# Altium PCB ESP32-SIM800C routed.PcbDoc (part 1 of 2)
Units mm, origin at the board's own origin, x right, y up, seen from the top; angles counter-clockwise.
Board outline 160.02 x 86.36 mm, 4 copper layers (L1 (TOP), L2 (PWR), L3 (GND), L4 (BOTTOM)), stack 1.586 mm thick; 149 components, 93 nets, 484 pads, 190 vias.
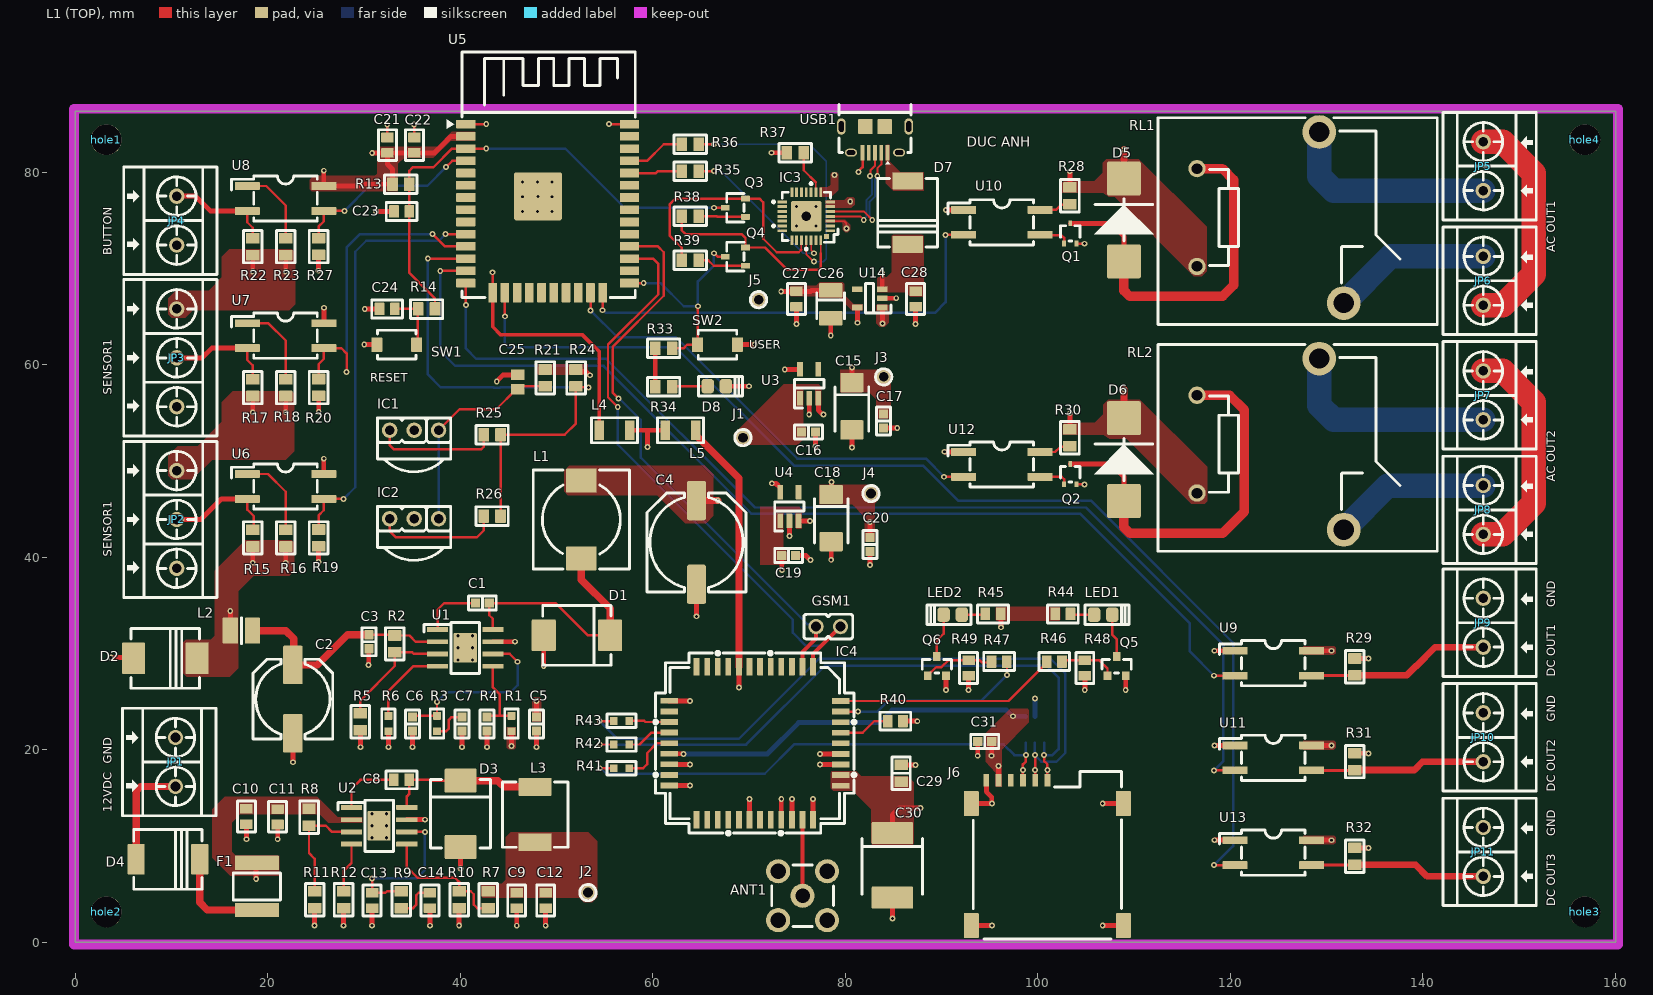
[diagram p0: L1 (TOP) view]
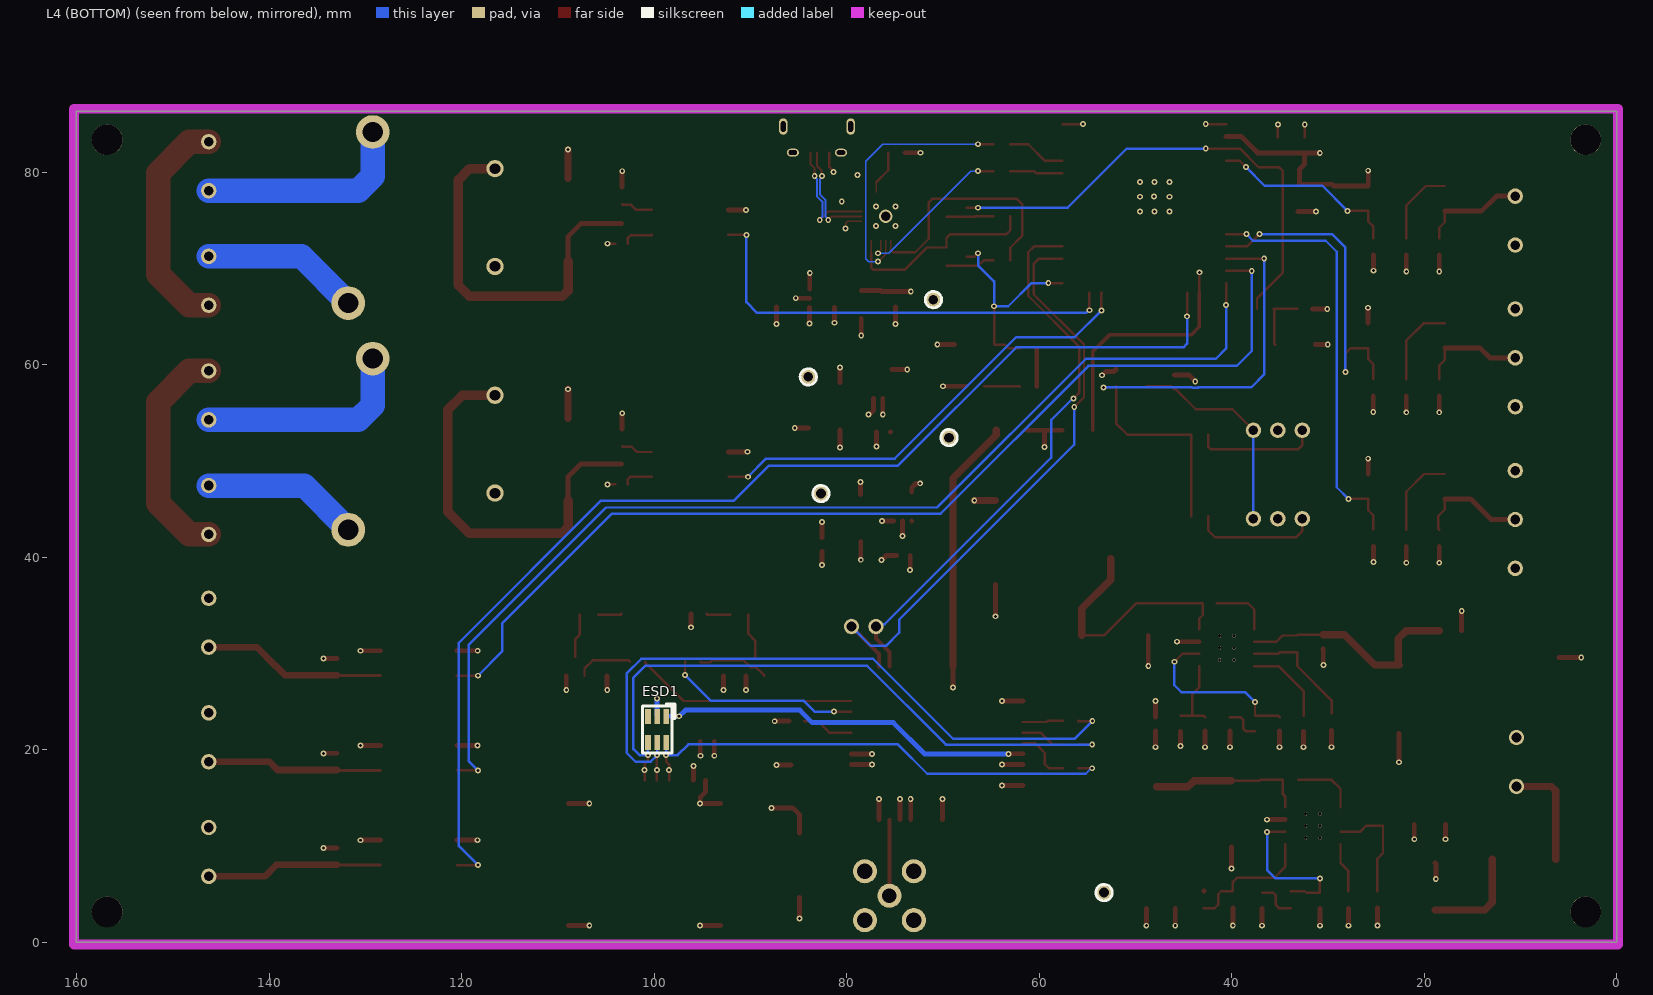
[diagram p1: L4 (BOTTOM) view, seen from below]
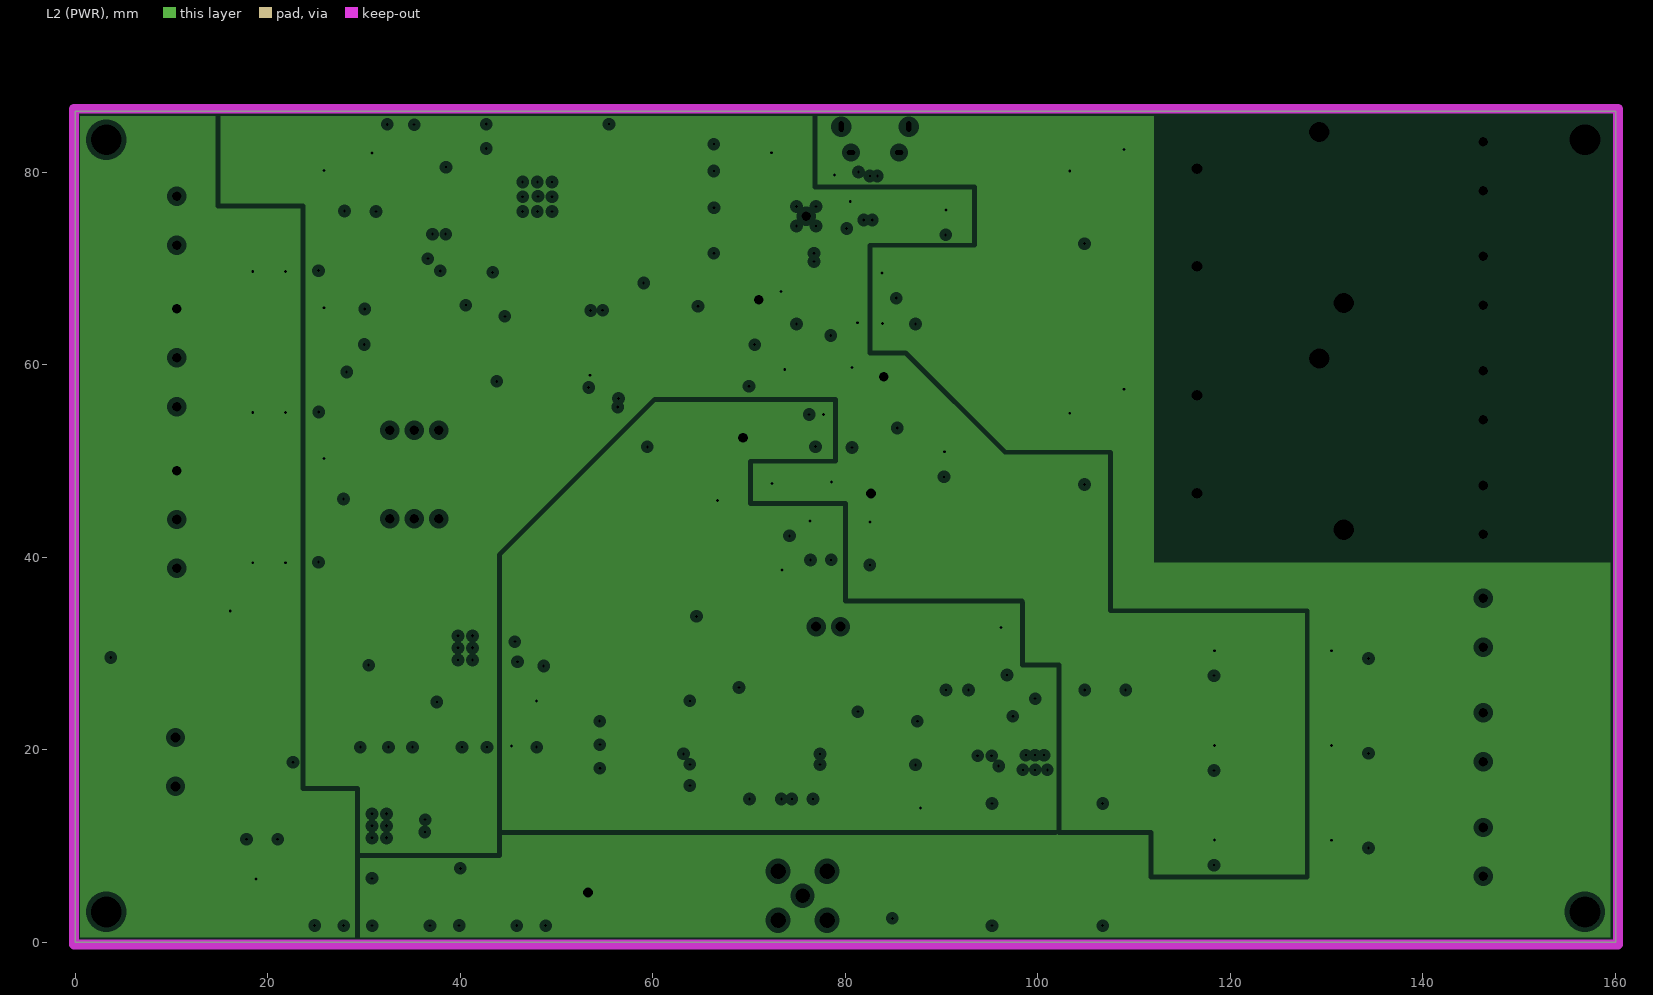
[diagram p2: L2 (PWR), clearances drawn from the general rule]
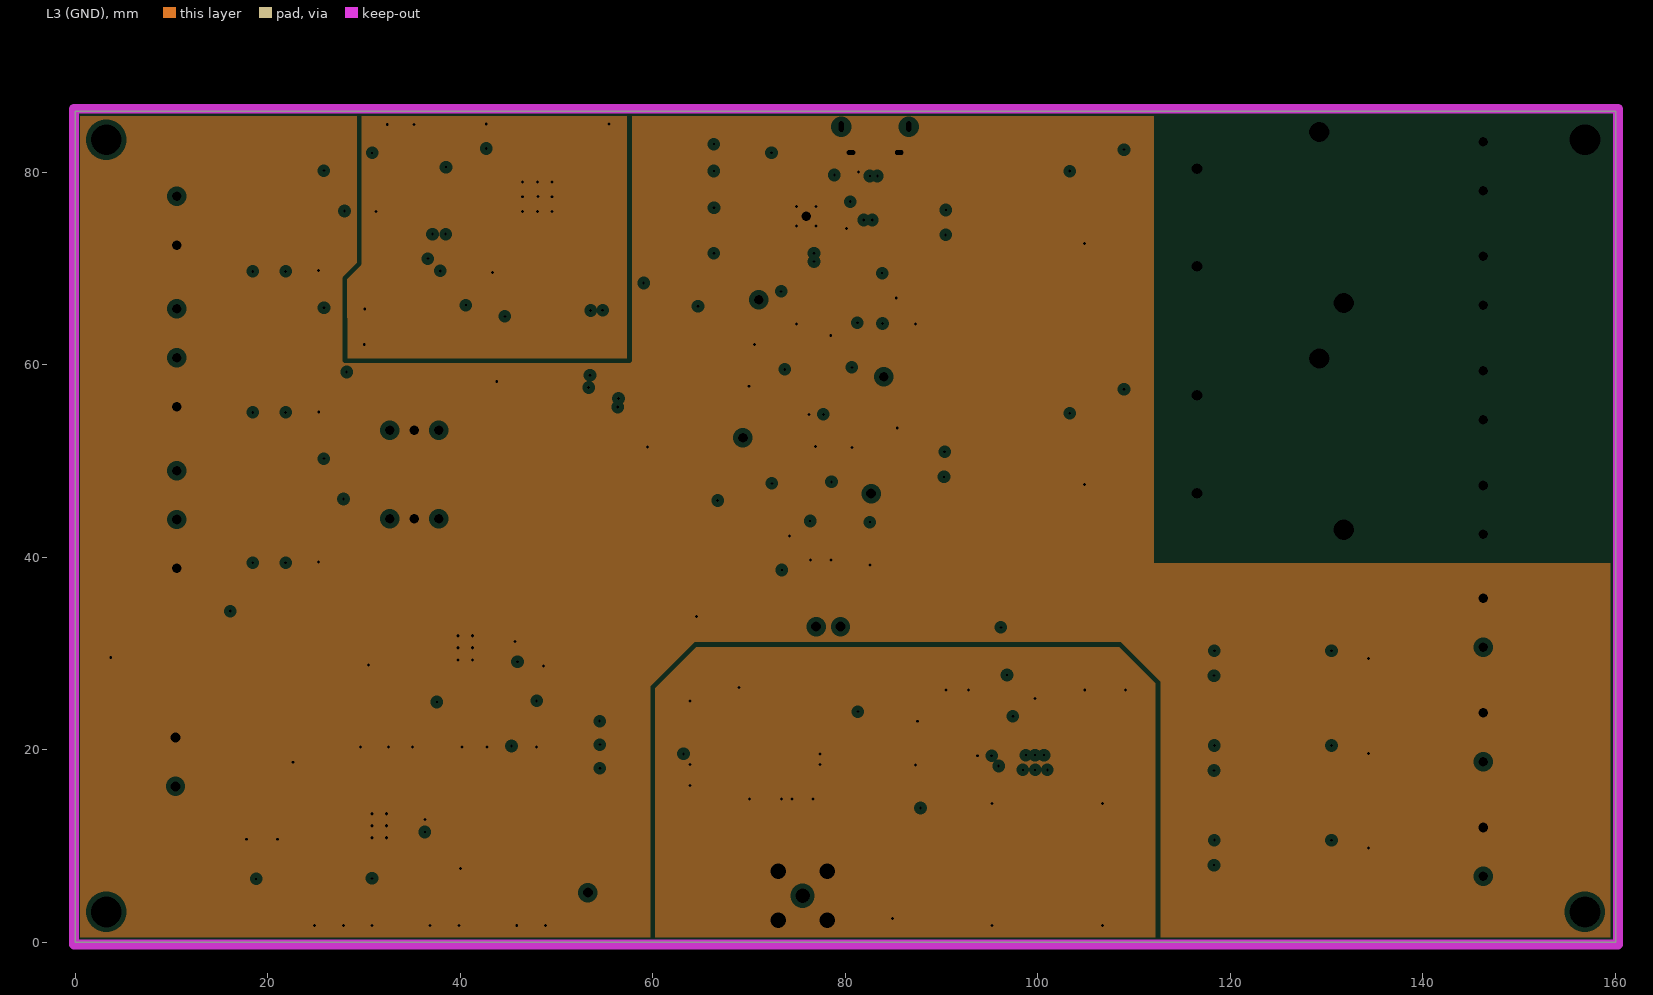
[diagram p3: L3 (GND), clearances drawn from the general rule]

## Layer stack, top to bottom
Top Solder: solder mask 0.0254, SM-001, Dk 4
L1 (TOP): signal copper 0.035
Dielectric 1: prepreg 0.2104, PP-017, Dk 4.3
L2 (PWR): plane copper 0.0152
Dielectric 2: core 1.065, Core-039, Dk 4.8
L3 (GND): plane copper 0.0152, net PGND
Dielectric 3: prepreg 0.2104, PP-017, Dk 4.3
L4 (BOTTOM): signal copper 0.035
Bottom Solder: solder mask 0.0254, SM-001, Dk 4

## Board outline
0,0 160.02,0 160.02,86.36 0,86.36

## Design rules (kind name [scope] priority, off if disabled: settings)
Clearance [All] p1: gap=0.127 ignorepadtopadclearanceinfootprint=FALSE
DiffPairsRouting [All] p1: maxlimit=0.127 minlimit=0.127 mostfreqgap=0.127 toplayer_minwidth=0.208 toplayer_maxwidth=0.208 toplayer_prefwidth=0.208 bottomlayer_minwidth=0.208 bottomlayer_maxwidth=0.208 bottomlayer_prefwidth=0.208 impedanceprofiledriven=TRUE impedanceprofileid={5B064D12-931F-44AD-A656-7E22BABB8609} impedanceprofilevalue=90.000000 maxuncoupledlength=12.7
HoleSize [All] p1: absolutevalues=TRUE maxlimit=3.2 minlimit=0.025 maxpercent=80.000 minpercent=20.000
HoleToHoleClearance [All] p1: gap=0.3 allowstackedmicrovias=TRUE
MinimumSolderMaskSliver [All] p1: minsoldermaskwidth=0.1
PlaneClearance [All] p1: clearance=0.508
PlaneConnect [All] p1: pad.planeconnectstyle=Direct pad.reliefexpansion=0.508 pad.reliefentries=4 pad.reliefconductorwidth=0.254 pad.reliefairgap=0.254 via.planeconnectstyle=Relief via.reliefexpansion=0.508 via.reliefentries=4 via.reliefconductorwidth=0.254 via.reliefairgap=0.254
PolygonConnect [All] p1: connectstyle=Direct reliefconductorwidth=0.254 reliefentries=4 polygonreliefangle="90 Angle" airgapwidth=0.254
RoutingVias [All] p1: holewidth=0.305 width=0.61 viastyle="Through Hole" minholewidth=0.305 minwidth=0.61 maxholewidth=0.305 maxwidth=0.61
SilkToSolderMaskClearance [IsPad] p1: minsilkscreentomaskgap=0.1 clearancetoexposedcopper=TRUE
SolderMaskExpansion [All] p1: expansion=0.102 istentingtop=FALSE
Width [All] p1: maxlimit=2.54 minlimit=0.152 preferedwidth=0.254
23 further rules are at their usual default settings.

## Classes and differential pairs
differential pair class diff90: D
component class 05-USB-UART: C26 C27 C28 D7 D8 IC3 J5 Q3 Q4 R33 R34 R35 R36 R37 R38 R39 SW2 U14 USB1
component class 04-OUTPUT: D5 D6 JP5 JP6 JP7 JP8 JP9 JP10 JP11 Q1 Q2 R28 R29 R30 R31 R32 RL1 RL2 U9 U10 U11 U12 U13
component class 03-INPUT: C25 IC1 IC2 JP2 JP3 JP4 R15 R16 R17 R18 R19 R20 R21 R22 R23 R24 R25 R26 R27 U6 U7 U8
component class 02-ESP32: C21 C22 C23 C24 hole1 hole2 hole3 hole4 R13 R14 SW1 U5
component class 01-POWER: C1 C2 C3 C4 C5 C6 C7 C8 C9 C10 C11 C12 C13 C14 C15 C16 C17 C18 C19 C20 D1 D2 D3 D4 F1 J1 J2 J3 J4 JP1 L1 L2 L3 R1 R2 R3 R4 R5 R6 R7 R8 R9 R10 R11 R12 U1 U2 U3 U4
component class Sheet1: L4 L5 L7 L8
component class 06-SIM800C: ANT1 C29 C30 C31 C32 ESD1 GSM1 IC4 J6 LED1 LED2 Q5 Q6 R40 R41 R42 R43 R44 R45 R46 R47 R48 R49 S1
differential pair Diff90: +D_P -D_N

## Components (designator, comment, footprint, x,y, rotation, side; value= is the part's Value field where it differs from the comment)
ANT1 "SMA ANTENNA" ANT-SMA-ST-F 75.565,4.851 r0 top
C1 "0.1uF/50V/C0603/10%" "Cap Ceramic 0603 SMD" 42.291,35.255 r0 top
C2 "100uF/50V/ALU/20%" "CAP ALU CASE F SMD" 22.606,25.273 r270 top
C3 "1uF/50V/C0603/10%" "Cap Ceramic 0603 SMD" 30.505,31.238 r90 top
C4 "330uF/50V/ALU/20% SMD" "CAP ALU CASE G SMD" 64.541,41.554 r270 top
C5 "0.1uF/50V/C0603/10%" "Cap Ceramic 0603 SMD" 47.93,22.683 r90 top
C6 "56pF/50V/C0603/5%" "Cap Ceramic 0603 SMD" 35.026,22.683 r90 top
C7 "10nF/50V/C0603/10%" "Cap Ceramic 0603 SMD" 40.187,22.683 r90 top
C8 "0.1uF/25V" CAP_CERA_C2012(CC0805INCH) 33.884,16.891 r180 top
C9 "47uF/10V" CAP_CERA_C2012(CC0805INCH) 45.865,4.355 r90 top
C10 "2.2uF/50V" CAP_CERA_C2012(CC0805INCH) 17.78,13.081 r90 top
C11 "2.2uF/50V" CAP_CERA_C2012(CC0805INCH) 21.016,13.054 r90 top
C12 "47uF/10V" CAP_CERA_C2012(CC0805INCH) 48.87,4.355 r90 top
C13 "39pF/50V" CAP_CERA_C2012(CC0805INCH) 30.842,4.355 r90 top
C14 "6800pF/25V" CAP_CERA_C2012(CC0805INCH) 36.851,4.355 r90 top
C15 "10uF/25V/TANTA C/10%" "CAP TANT CASE C SMD" 80.682,55.705 r270 top
C16 "0.1uF/50V/C0603/10%" "Cap Ceramic 0603 SMD" 76.176,53.038 r180 top
C17 "0.1uF/50V/C0603/10%" "Cap Ceramic 0603 SMD" 83.984,54.181 r90 top
C18 "10uF/25V/TANTA C/10%" "CAP TANT CASE C SMD" 78.537,44.09 r270 top
C19 "0.1uF/50V/C0603/10%" "Cap Ceramic 0603 SMD" 74.118,40.185 r180 top
C20 "0.1uF/50V/C0603/10%" "Cap Ceramic 0603 SMD" 82.552,41.351 r90 top
C21 "22uF/25V/C0805/10%" CAP_CERA_C2012(CC0805INCH) 32.436,82.829 r270 top
C22 "0.1uF/25V/C0805/10%" CAP_CERA_C2012(CC0805INCH) 35.23,82.829 r270 top
C23 "0.1uF/25V/C0805/10%" CAP_CERA_C2012(CC0805INCH) 33.908,75.946 r0 top
C24 "10uF/25V/C0805/10%" CAP_CERA_C2012(CC0805INCH) 32.403,65.811 r180 top
C25 "Cap Pol1" C0805 45.949,58.21 r90 top value=4.7uF/16V
C26 "10uF/25V/TANTA" "CAP TANT CASE B SMD" 78.486,66.294 r270 top
C27 "0.1uF/25V" CAP_CERA_C2012(CC0805INCH) 74.93,66.844 r90 top
C28 "0.1uF/25V" CAP_CERA_C2012(CC0805INCH) 87.3,66.844 r90 top
C29 "100nF/50V/0805" "Cap Ceramic 0805 SMD" 85.801,17.577 r90 top value=33p
C30 "220uF-Tan" "CAP TANT CASE E SMD" 84.887,8.001 r270 top
C31 "0.1uF/50V/C0603/10%" "Cap Ceramic 0603 SMD" 94.488,20.879 r180 top
D1 "2#B560C-13-F" "2# B560C" 52.121,31.902 r0 top
D2 "29# SMCJ36CA" "29# diode SMCJ36A" 9.364,29.515 r0 top
D3 "B560C-13-F" "2# B560C" 40.03,13.36 r90 top
D4 "SK56L-TP" "30# SK56L-TPMSCT-ND" 9.627,8.636 r0 top
D5 "SSC53L-E3/57T" SSC53L-E3/57T 108.948,75.057 r90 top
D6 "SSC53L-E3/57T" SSC53L-E3/57T 108.948,50.165 r90 top
D7 "SK56L-TP" "30# SK56L-TPMSCT-ND" 86.487,75.819 r270 top
D8 "GREEN 0805" "Led 0805G" 66.649,57.785 r0 top
ESD1 "36# ESDA6V1-5SC6" "36# ESDA6V1-5SC6" 98.745,23.27 r0 bottom
F1 "MF-SMDF050-2" "13# MF-SMDF050" 18.872,5.817 r90 top
GSM1 "Header 2" Header_2 78.232,32.817 r180 top
hole1 "Vit 3mm" "Screw 3.0" 3.226,83.388 r90 top
hole2 "Vit 3mm" "Screw 3.0" 3.226,3.175 r90 top
hole3 "Vit 3mm" "Screw 3.0" 156.845,3.175 r90 top
hole4 "Vit 3mm" "Screw 3.0" 156.845,83.388 r90 top
IC1 "TSOP1838" TSOP1838 35.204,53.213 r0 top
IC2 "TSOP1838" TSOP1838 35.204,44.018 r0 top
IC3 "CP2102-QFN28" CP2102-QFN28 75.946,75.438 r90 top
IC4 "SIM800C" SIM800C 70.612,20.701 r270 top
J1 "TEST POINT" "TEST POINT 1mm" 69.367,52.451 r0 top
J2 "TEST POINT" "TEST POINT 1mm" 53.264,5.182 r0 top
J3 "TEST POINT" "TEST POINT 1mm" 83.984,58.753 r0 top
J4 "TEST POINT" "TEST POINT 1mm" 82.677,46.634 r0 top
J5 "TEST POINT" "TEST POINT 1mm" 70.993,66.777 r0 top
J6 "Micro SIM Push Connector" "9# SIM holder" 100.99,9.296 r0 top
JP1 "ED2609-ND" DOMINO_OSTTC_2P 10.414,18.745 r90 top value="Connector 2"
JP2 "ED2610-ND" DOMINO_OSTTC_3P 10.541,43.942 r90 top value="Connector 3"
JP3 "ED2610-ND" DOMINO_OSTTC_3P 10.541,60.736 r90 top value="Connector 3"
JP4 "ED2609-ND" DOMINO_OSTTC_2P 10.541,74.991 r90 top value="Connector 2"
JP5 "ED2609-ND" DOMINO_OSTTC_2P 146.283,80.645 r270 top value="Connector 2"
JP6 "ED2609-ND" DOMINO_OSTTC_2P 146.283,68.739 r270 top value="Connector 2"
JP7 "ED2609-ND" DOMINO_OSTTC_2P 146.283,56.833 r270 top value="Connector 2"
JP8 "ED2609-ND" DOMINO_OSTTC_2P 146.283,44.928 r270 top value="Connector 2"
JP9 "ED2609-ND" DOMINO_OSTTC_2P 146.283,33.213 r270 top value="Connector 2"
JP10 "ED2609-ND" DOMINO_OSTTC_2P 146.283,21.309 r270 top value="Connector 2"
JP11 "ED2609-ND" DOMINO_OSTTC_2P 146.283,9.404 r270 top value="Connector 2"
L1 "4#CLF10040T_150M" "4# clf10040XX" 52.578,43.942 r90 top
L2 "11#LQH32PN2R2NN0L" "11# LQH32PN2R2" 17.265,32.385 r0 top
L3 "ASPI-7318-8R2M-TCT-ND" ASPI-7318-8R2M-TCT-ND 47.777,13.284 r270 top
L4 "10uH" "L 2520mm" 55.424,56.113 r0 top value="150 mH"
L5 "10uH" "L 2520mm" 63.482,50.313 r180 top value="150 mH"
LED1 "LED?" "Led 0805R" 106.792,34.049 r0 top
LED2 "LED" "Led 0805R" 91.161,34.049 r180 top
Q1 "MCH3209-TL-E" "MCH3209-TL-E  SOT-323" 103.378,73.66 r0 top
Q2 "MCH3209-TL-E" "MCH3209-TL-E  SOT-323" 103.378,48.641 r0 top
Q3 "DTC143ZKAT146" "6# DTC143ZKAT146-E" 68.58,76.327 r90 top
Q4 "DTC143ZKAT146" "6# DTC143ZKAT146-E" 68.58,71.247 r90 top
Q5 "MMBT222A" MMBT2222A 108.189,28.702 r0 top
Q6 "MMBT222A" MMBT2222A 89.51,28.702 r0 top
R1 "15K/R0603/1%" "Res 0603 SMD" 45.324,22.733 r270 top
R2 "249K/R0805/1%" "Res 0805 SMD" 33.198,31.013 r90 top
R3 "15K/R0603/1%" "Res 0603 SMD" 37.581,22.733 r90 top
R4 "3.3K/R0603/1%" "Cap Ceramic 0603 SMD" 42.768,22.683 r90 top
R5 "34.8K/R0805/1%" "Res 0805 SMD" 29.616,22.923 r90 top
R6 "200K/R0603/1%" "Res 0603 SMD" 32.537,22.733 r270 top
R7 "53.6K" "Res 0805 SMD" 42.891,4.445 r90 top
R8 "523K" "Res 0805 SMD" 24.282,13.005 r90 top
R9 "13K" "Res 0805 SMD" 33.877,4.445 r90 top
R10 "10.2K" "Res 0805 SMD" 39.886,4.445 r90 top
R11 "84.5K" "Res 0805 SMD" 24.863,4.445 r90 top
R12 "162K/R0805" "Res 0805 SMD" 27.878,4.43 r270 top
R13 "10K/R0805/1%" "Res 0805 SMD" 33.833,78.765 r0 top
R14 "0R/R0805/1%" "Res 0805 SMD" 36.5,65.811 r0 top
R15 "10K" "Res 0805 SMD" 18.44,42.011 r270 top
R16 "1K" "Res 0805 SMD" 21.862,42.011 r270 top
R17 "10K" "Res 0805 SMD" 18.44,57.643 r270 top
R18 "1K" "Res 0805 SMD" 21.862,57.643 r270 top
R19 "10K" "Res 0805 SMD" 25.273,42.026 r90 top
R20 "10K" "Res 0805 SMD" 25.273,57.658 r90 top
R21 "330" "Res 0805 SMD" 48.821,58.649 r90 top
R22 "10K" "Res 0805 SMD" 18.44,72.288 r270 top
R23 "1K" "Res 0805 SMD" 21.862,72.288 r270 top
R24 "10K" "Res 0805 SMD" 52.019,58.649 r90 top
R25 "0R" "Res 0805 SMD" 43.307,52.756 r0 top
R26 "0R" "Res 0805 SMD" 43.307,44.298 r0 top
R27 "10K" "Res 0805 SMD" 25.273,72.303 r90 top
R28 "10K" "Res 0805 SMD" 103.338,77.583 r90 top
R29 "10K" "Res 0805 SMD" 132.944,28.626 r270 top
R30 "10K" "Res 0805 SMD" 103.338,52.437 r90 top
R31 "10K" "Res 0805 SMD" 132.944,18.783 r270 top
R32 "10K" "Res 0805 SMD" 132.944,8.941 r270 top
R33 "10K" "Res 0805 SMD" 61.13,61.722 r0 top
R34 "1K" "Res 0805 SMD" 61.13,57.739 r0 top
R35 "1K" "Res 0805 SMD" 63.896,80.137 r0 top
R36 "1K" "Res 0805 SMD" 63.896,82.931 r0 top
R37 "4.7K" "Res 0805 SMD" 74.803,82.042 r0 top
R38 "10K" "Res 0805 SMD" 63.881,75.438 r180 top
R39 "10K" "Res 0805 SMD" 63.881,70.866 r180 top
R40 "10k/0805" RESC2012(0805) 85.2,22.987 r0 top
R41 "51R/R0603/1%" "Res 0603 SMD" 56.744,18.11 r180 top
R42 "51R/R0603/1%" "Res 0603 SMD" 56.744,20.561 r180 top
R43 "51R/R0603/1%" "Res 0603 SMD" 56.744,23.012 r180 top
R44 "R0805" RESC2012(0805) 102.601,34.135 r0 top value=330/0805
R45 "R0805" RESC2012(0805) 95.352,34.135 r180 top value=330/0805
R46 "R0805" RESC2012(0805) 101.712,29.172 r0 top value=4.7k/0805
R47 "R0805" RESC2012(0805) 95.987,29.172 r180 top value=4.7k/0805
R48 "R0805" RESC2012(0805) 104.887,28.502 r270 top value=47k/0805
R49 "R0805" RESC2012(0805) 92.812,28.502 r270 top value=47k/0805
RL1 "Relay T9GV1L14-5 30A 5V" "Relay T9GV1L14-5 30A 5V" 127.973,75.311 r270 top
RL2 "Relay T9GV1L14-5 30A 5V" "Relay T9GV1L14-5 30A 5V" 127.973,51.765 r270 top
SW1 "RST" "Button 3x4mm" 33.401,62.103 r0 top
SW2 "FLASH" "Button 3x4mm" 66.718,62.103 r0 top
U1 "21#TPS54360DDAR" "21# TPS54360" 40.513,30.607 r270 top
U2 "TPS54360DDAR" "21# TPS54360" 31.572,12.116 r270 top
U3 "20#TLV73333PDBVR" "TLV73333PDBVR - SOT23-65" 76.251,58.039 r0 top
U4 "20#TLV73333PDBVR" "TLV73333PDBVR - SOT23-65" 74.193,45.288 r0 top
U5 "ESP-WROOM-32" "ESP32 WROOM" 40.579,85.014 r0 top
U6 "TPC817S1B-SOP4" TPC817-4SOP 21.844,47.371 r0 top
U7 "PC817-SOP4" TPC817-4SOP 21.844,63.043 r0 top
U8 "PC817-SOP4" TPC817-4SOP 21.844,77.292 r0 top
U9 "TPC817S1B-SOP4" TPC817-4SOP 124.467,29.015 r0 top
U10 "TPC817S1B-SOP4" TPC817-4SOP 96.266,74.803 r0 top
U11 "TPC817S1B-SOP4" TPC817-4SOP 124.467,19.172 r0 top
U12 "TPC817S1B-SOP4" TPC817-4SOP 96.266,49.657 r0 top
U13 "TPC817S1B-SOP4" TPC817-4SOP 124.467,9.33 r0 top
U14 "TLV73333PDBVR" "20# TLV73333PDBVR" 82.55,66.919 r90 top
USB1 "USB_Micro" "USB_MICRO_B - Digikey" 84.393,82.06 r180 top
